# Altium PCB UHF_RFID_PROJECT.PcbDoc (part 3 of 3)
Units mm, origin at the board's own origin, x right, y up, seen from the top; angles counter-clockwise.
Board outline 81.68 x 108.59 mm, 6 copper layers (Top Layer, RF_Ground, Power, Gnd, Routing, Bottom_Gnd), stack 1.355 mm thick; 305 components, 201 nets, 970 pads, 479 vias.
Unrouted connection lines stored in the file: 2.
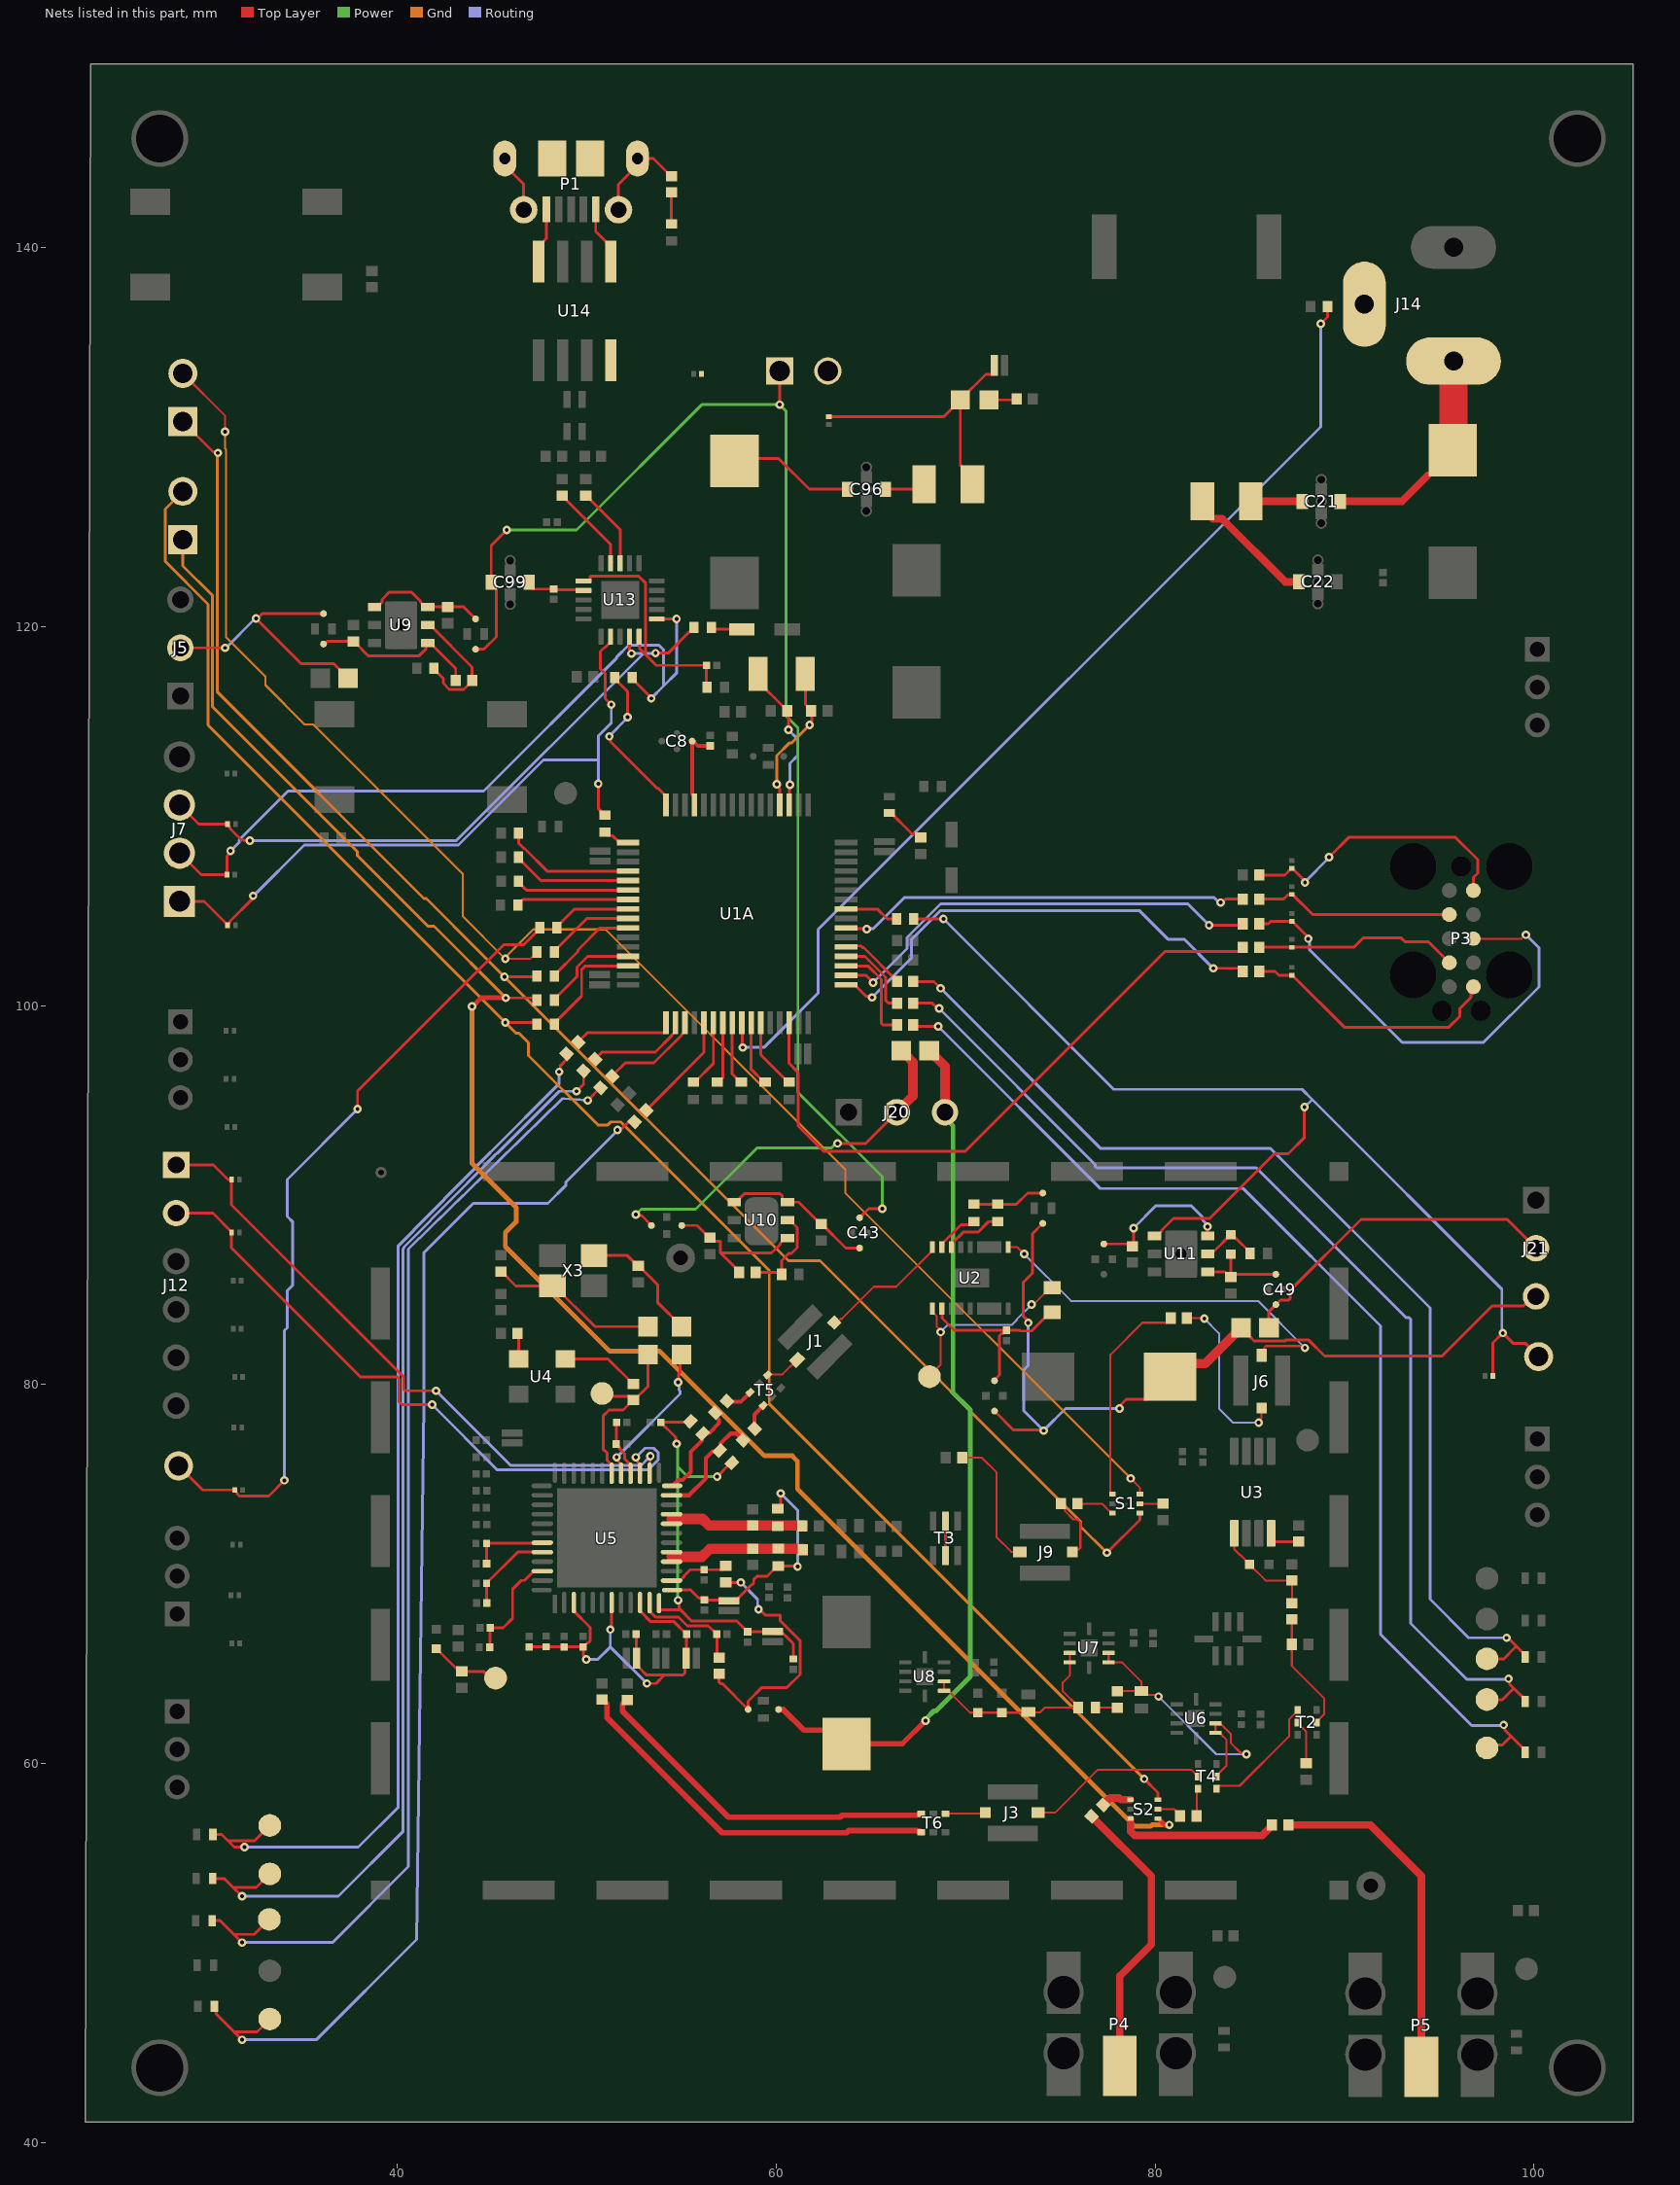
[diagram p7: the nets of this part, all layers, seen from the top]

## Via types
v1: diameter 0.45, hole 0.2, Top Layer to Bottom_Gnd, tented both sides, 175 vias
v2: diameter 0.6, hole 0.35, Top Layer to Bottom_Gnd, tented both sides, 169 vias
v3: diameter 0.6, hole 0.3, Top Layer to Bottom_Gnd, tented both sides, 133 vias
v4: diameter 0.55, hole 0.3, Top Layer to Bottom_Gnd, tented both sides, 1 vias
v5: diameter 0.5, hole 0.3, Top Layer to Bottom_Gnd, tented both sides, 1 vias

## Nets (pads, with @x,y where several pads share a name; then routed paths per layer and width w, separated by ;. In a path a pad name is that pad's centre, name@x,y a point inside that pad or via, vN(x,y) a via of type N, cw(c..) or ccw(c..) an arc to the next point about the centre after c; other vN are vias at no path point) (continued)
NetC13_2: C13.2 FB5.1 U5.11 | length 5.8
  Top Layer w0.15: U5.11@53.33,68.506 53.33,68.057 53.647,67.739 54.867,67.739 55.321,67.285 56.429,67.285 56.753,66.961 56.758,66.961 56.878,66.841 C13.2@56.878,66.836 56.878,65.728 FB5.1@56.998,65.609
NetC16_3: C16.3 C105.2 R21.1 U2.2 | length 10
  Top Layer w0.15: U2.2@68.757,84.012 68.757,83.516 69.399,82.874 C105.2@72.157,82.874 ; C16.3@71.527,80.209 71.527,80.24 71.798,80.511 71.78,80.528 71.78,81.407 71.798,81.425 71.798,82.593 71.894,82.689 71.972,82.689 C105.2@72.157,82.874 ; R21.1@74.575,83.824 74.475,83.824 73.485,82.834 72.899,82.834 72.859,82.874 C105.2@72.162,82.874 C105.2@72.157,82.874
NetC17_2: C17.2 U3.4 | length 1.8
  Top Layer w0.15: U3.4@86.125,72.16 86.125,71.878 86.285,71.718 C17.2@87.575,71.718
NetC21_1: C21.1 C106.1 J14.1 | length 11.8
  Top Layer w0.15: 94.397,127.976 94.507,127.976 95.707,129.176 C106.1@95.707,129.286 C106.1@95.75,129.329
  Top Layer w0.4: C21.1@89.775,126.6 93.021,126.6 94.397,127.976
  Top Layer w1.5: C106.1@95.75,129.329 J14.1@95.75,134
NetC21_3: C21.3 FB2.1 | length 2.7
  Top Layer w0.4: FB2.1@85.05,126.6 C21.3@87.775,126.6
NetC22_1: C22.1 FB2.2 | length 7.1
  Top Layer w0.15: FB2.2@82.5,126.6 82.5,126.225 FB2.2@83.05,125.675
  Top Layer w0.4: FB2.2@83.05,125.675 83.549,125.675 86.872,122.352 C22.1@87.595,122.352
NetC23_1: C23.1 C96.1 U14.8 | length 6.7
  Top Layer w0.15: C23.1@57.81,128.747 57.918,128.854 60.147,128.854 61.757,127.244 C96.1@63.77,127.244
NetC30_2: C30.2 C99.3 U13.12 | length 3.1
  Top Layer w0.15: C99.3@46.975,122.325 46.975,122.225 47.225,121.975 C30.2@48.275,121.975 48.313,121.938 49.802,121.938 U13.12@49.84,121.9
NetC32_1: C32.1 J9.A | length 7.1
  Top Layer w0.107: C32.1@69.825,76.149 70.866,76.149 71.628,75.387 71.628,71.972 72.419,71.181 72.858,71.181 J9.A@72.867,71.171
NetC35_1: C35.1 S2.6 | length 8.5
  Top Layer w0.4: S2.6@78.701,57.107 78.701,56.454 78.935,56.22 85.3,56.22 85.309,56.211 85.641,56.211 86.105,56.675 86.175,56.745 C35.1@86.175,56.775
NetC35_2: C35.2 P5.1 | length 18.2
  Top Layer w0.4: C35.2@87.039,56.775 91.358,56.775 94.055,54.078 P5.1@94.055,44.008
NetC36_1: C36.1 S2.4 | length 1.6
  Top Layer w0.4: C36.1@77.267,57.836 77.634,58.203 78.094,58.203 78.19,58.107 S2.4@78.701,58.107
NetC36_2: C36.2 P4.1 | length 15.1
  Top Layer w0.4: C36.2@76.657,57.226 79.807,54.075 79.807,50.47 78.141,48.804 P4.1@78.141,44.073
NetC37_1: C37.1 L11.2 T4.2 U6.1 U6.2 U7.1 U7.2 | length 17.3
  Top Layer w0.107: U7.2@77.55,65.85 U7.1@77.55,65.35 78.265,65.35 79.275,64.34 L11.2@79.275,63.835 ; C37.1@78.003,63.83 79.27,63.83 L11.2@79.275,63.835 ; v1(80.188,63.551) 80.095,63.551 80.012,63.634 79.476,63.634 L11.2@79.275,63.835 ; T4.2@83.248,59.334 83.248,59.374 83.769,59.895 83.769,60.773 83.774,60.777 83.774,61.26 83.515,61.519 83.515,61.531 83.414,61.632 U6.1@83.194,61.632 U6.2@83.194,62.132 83.25,62.076 83.488,62.076 84.009,61.555 84.009,61.087 84.537,60.559 84.762,60.559 v1(84.815,60.506)
  Routing w0.11: v1(80.188,63.551) 83.233,60.506 v1(84.815,60.506)
NetC37_2: C37.2 R34.1 | length 1.1
  Top Layer w0.107: R34.1@76.86,62.967 C37.2@78.003,62.966
NetC38_2: C38.2 C39.3 U9.1 U9.6 | length 6.4
  Top Layer w0.15: U9.1@38.825,121.025 38.95,121.025 39.211,121.286 39.211,121.431 39.599,121.818 40.759,121.818 41.239,121.338 41.239,121.286 41.5,121.025 U9.6@41.625,121.025 41.632,121.032 C38.2@42.675,121.032 43.518,121.032 C39.3@44.15,120.4
NetC40_2: C40.2 C41.1 R44.2 U9.4 | length 9
  Top Layer w0.15: C41.1@36.125,119.075 36.182,119.075 36.318,119.211 C40.2@37.7,119.211 37.7,119.113 37.828,119.113 38.501,118.44 41.148,118.44 41.533,118.825 41.537,118.825 41.537,119.037 U9.4@41.625,119.125 41.75,119.125 43.1,117.775 R44.2@43.1,117.15
NetC41_3: C41.3 J5.2 R1.1 | length 14.5
  Top Layer w0.15: J5.2@28.575,118.872 v1(30.937,118.872) ; C41.3@36.125,120.675 32.898,120.675 32.644,120.421 v1(32.563,120.421) 32.603,120.381 34.948,118.036 36.664,118.036 36.98,117.72 36.98,117.71 37.415,117.275 R1.1@37.425,117.275
  Routing w0.15: v1(30.937,118.872) 30.975,118.872 32.525,120.421 v1(32.563,120.421)
NetC42_2: C42.2 C43.3 U10.1 U10.6 | length 8.1
  Top Layer w0.15: U10.1@57.807,89.631 57.932,89.631 58.082,89.781 58.082,89.833 58.334,90.085 60.205,90.085 60.337,89.954 60.337,89.781 60.487,89.631 61.199,89.631 62.353,88.477 C42.2@62.383,88.477 62.413,88.477 63.683,87.207 C43.3@64.415,87.207
NetC44_2: C44.2 C45.1 R28.2 U10.4 | length 8.3
  Top Layer w0.15: C45.1@55.029,88.398 55.844,88.398 56.485,87.757 C44.2@56.515,87.757 56.71,87.562 57.079,87.562 57.079,86.944 ; R28.2@58.064,85.928 58.064,85.958 57.079,86.944 ; U10.4@60.607,87.731 60.482,87.731 60.221,87.47 60.221,87.398 59.767,86.944 57.079,86.944
NetC45_3: C45.3 J20.2 R2.1 | length 21.3
  Top Layer w0.15: v1(52.603,88.976) 52.661,88.919 52.909,88.919 C45.3@53.429,88.398 ; v1(63.246,92.731) 64.731,92.731 J20.2@66.375,94.375 ; R2.1@66.375,97.385 R2.1@66.615,97.625
  Top Layer w0.5: J20.2@66.375,94.375 67.226,95.226 67.226,97.014 66.885,97.355 66.885,97.365 66.625,97.625 R2.1@66.615,97.625
  Power w0.15: v1(52.603,88.976) 52.883,89.256 55.763,89.256 58.989,92.481 62.915,92.481 63.165,92.731 v1(63.246,92.731)
NetC46_2: C46.2 C47.3 U11.6 | length 8
  Top Layer w0.15: C47.3@77.3,87.425 78.682,87.425 C46.2@78.8,87.307 78.867,87.374 v1(78.867,88.265) ; U11.6@82.775,87.85 v1(82.775,88.346)
  Routing w0.15: v1(78.867,88.265) 80.035,89.433 81.915,89.433 82.517,88.831 82.517,88.685 82.775,88.427 v1(82.775,88.346)
NetC48_2: C48.2 C49.1 R30.2 U11.4 | length 5
  Top Layer w0.15: U11.4@82.775,85.95 83.702,85.95 83.97,85.682 C48.2@84,85.682 ; R30.2@83.998,86.889 83.998,85.684 C48.2@84,85.682 ; C49.1@86.375,85.825 84.143,85.825 C48.2@84,85.682
NetC49_3: C49.3 J21.2 R3.1 | length 17.8
  Top Layer w0.15: R3.1@86.01,83 86.01,83.86 86.611,84.461 87.043,84.461 87.139,84.557 87.139,84.989 90.872,88.722 98.58,88.722 J21.2@100.103,87.2
NetC51_2: C51.2 U4.3 | length 4.1
  Top Layer w0.15: U4.3@48.876,81.35 51.141,81.35 52.447,80.044 C51.2@52.477,80.044
NetC55_2: C55.2 R33.1 TP2.TP? | length 3.8
  Top Layer w0.15: R33.1@42.075,66.076 42.087,66.076 43.093,65.07 43.23,65.07 C55.2@43.425,64.875 44.566,64.875 44.916,64.525 TP2.TP?@45.2,64.525
NetC91_1: C91.1 FB1.2 FB5.2 | length 13.8
  Top Layer w0.15: FB5.2@56.998,64.745 56.998,64.314 57.085,64.227 57.179,64.227 C91.1@58.534,62.871 58.534,63.303 59.26,64.029 60.588,64.029 61.273,64.714 61.273,66.499 60.215,67.557 60.215,67.852 59.421,67.852 59.124,68.148 v1(59.08,68.148) ; FB1.2@57.353,69.57 v1(58.141,69.571)
  Routing w0.15: v1(58.141,69.571) 59.032,68.679 59.032,68.197 v1(59.08,68.148)
NetC96_3: C96.3 FB7.1 | length 2.2
  Top Layer w0.15: C96.3@65.77,127.244 67.549,127.244 FB7.1@67.813,127.508
NetC97_1: C97.1 R86.2 | length 1.5
  Top Layer w0.15: C97.1@71.244,131.953 72.546,131.953 72.597,132.004 R86.2@72.695,132.004
NetC97_2: C97.2 C98.2 D21.2 FB7.2 P2.2 | length 14.8
  Top Layer w0.15: D21.2@62.789,131.071 68.854,131.071 C97.2@69.726,131.943 ; FB7.2@70.363,127.508 70.363,127.883 69.726,128.52 C97.2@69.726,131.943 ; C98.2@71.526,133.782 71.526,133.422 71.411,133.307 71.07,133.307 69.726,131.963 C97.2@69.726,131.953 C97.2@69.726,131.943
NetC100_1: C100.1 R89.2 | length 1.7
  Top Layer w0.15: R89.2@54.483,141.249 C100.1@54.483,142.9
NetC100_2: C100.2 P1.SH1 P1.SH2 P1.SH3 P1.SH4 P1.SH5 P1.SH6 | length 8.4
  Top Layer w0.15: P1.SH6@45.689,144.686 45.689,144.336 46.689,143.336 P1.SH2@46.689,141.986 ; P1.SH1@51.689,141.986 51.689,143.336 52.689,144.336 P1.SH3@52.689,144.686 53.531,144.686 54.453,143.764 C100.2@54.483,143.764
NetC104_3: C104.3 R10.2 R20.2 | length 3.9
  Top Layer w0.15: R20.2@70.438,89.518 R10.2@71.708,89.518 72.681,89.518 73.274,90.111 C104.3@74.079,90.111
NetC107_1: C107.1 S1.6 | length 2.1
  Top Layer w0.107: C107.1@75.907,73.725 77.2,73.725 77.7,73.225 S1.6@77.75,73.225
NetC107_2: C107.2 J9.C | length 3.4
  Top Layer w0.107: C107.2@75.043,73.725 75.259,73.509 75.259,73.324 75.691,72.892 75.897,72.892 76.06,72.73 76.06,71.397 75.976,71.313 75.785,71.313 J9.C@75.642,71.171
NetC108_1: C108.1 J6.C | length 9.2
  Top Layer w0.107: C108.1@81.687,83.515 82.575,83.515 v1(82.601,83.49) ; v1(85.471,78.003) 85.471,78.096 85.624,78.249 J6.C@85.624,78.773
  Routing w0.11: v1(82.601,83.49) 83.378,82.713 83.378,78.744 84.119,78.003 v1(85.471,78.003)
NetC108_2: C108.2 S1.4 | length 11.5
  Top Layer w0.107: S1.4@77.75,74.225 77.719,74.225 77.648,74.296 77.648,81.585 79.332,83.269 80.606,83.269 80.725,83.387 80.725,83.515 C108.2@80.823,83.515
NetC109_2: C109.2 S1.2 | length 1.2
  Top Layer w0.107: S1.2@79.2,73.725 C109.2@80.425,73.725
NetC110_1: C110.1 R55.2 X3.3 | length 6.7
  Top Layer w0.15: X3.3@50.402,86.813 52.155,86.813 52.701,86.267 C110.1@52.731,86.267 52.761,86.267 53.769,85.259 53.769,84.323 55.017,83.075 R55.2@55.017,83.065
NetC111_1: C111.1 R54.2 X3.1 | length 8.9
  Top Layer w0.15: C111.1@45.492,85.962 45.522,85.962 46.271,85.213 X3.1@48.202,85.213 48.302,85.213 50.45,83.065 R54.2@53.239,83.065
NetC112_1: C112.1 S2.2 | length 1.3
  Top Layer w0.107: S2.2@80.151,57.607 81.005,57.607 81.33,57.282 C112.1@81.33,57.252
NetC112_2: C112.2 T4.6 | length 1.5
  Top Layer w0.107: C112.2@82.194,57.252 82.194,58.621 T4.6@82.258,58.684
NetD15_C: D15.C R81.2 | length 2.3
  Top Layer w0.15: D15.C@65.98,110.159 65.98,110.229 66.009,110.23 67.18,109.059 67.436,109.059 R81.2@67.631,108.864
NetD28_1: D28.1 P3.2 R19.1 | length 10.6
  Top Layer w0.15: R19.1@85.493,105.617 86.784,105.617 87.02,105.853 87.202,105.853 D28.1@87.22,105.871 87.248,105.871 88.319,104.8 P3.2@95.529,104.8
NetD29_1: D29.1 P3.4 R42.1 | length 10.8
  Top Layer w0.15: R42.1@85.493,103.077 D29.1@87.22,103.077 90.494,103.077 90.98,103.563 92.994,103.563 93.194,103.363 94.427,103.363 P3.4@95.529,102.26
NetD30_1: D30.1 P3.6 R46.1 | length 13.9
  Top Layer w0.15: R46.1@85.493,101.807 86.336,101.807 86.543,101.601 D30.1@87.22,101.601 87.248,101.601 89.987,98.862 95.505,98.862 96.091,99.448 96.091,99.846 96.677,100.432 96.677,100.868 P3.6@96.799,100.99
NetD31_1: D31.1 pad.39 R4.1 | length 24.9
  Top Layer w0.1: pad.39@96.799,103.53 99.334,103.53 99.538,103.734 v1(99.568,103.734)
  Top Layer w0.15: R4.1@85.493,104.317 85.983,104.317 86.108,104.442 87.248,104.442 88.087,103.603 v1(88.087,103.53)
  Routing w0.15: v1(88.087,103.53) 88.145,103.473 88.145,102.959 93.046,98.057 97.329,98.057 100.255,100.983 100.255,103.047 v1(99.568,103.734)
NetD32_1: D32.1 P3.10 R5.2 | length 15.3
  Top Layer w0.15: R5.2@85.493,106.887 86.842,106.887 87.191,107.236 D32.1@87.22,107.236 87.248,107.236 87.909,106.575 v1(87.909,106.502) ; v1(89.179,107.823) 90.247,108.891 95.828,108.891 97.023,107.696 97.023,106.985 96.799,106.761 P3.10@96.799,106.07
  Routing w0.15: v1(87.909,106.502) 87.909,106.528 89.179,107.798 v1(89.179,107.823)
NetFB4_2: FB4.2 U4.4 | length 1.4
  Top Layer w0.15: FB4.2@46.356,82.711 46.426,82.641 U4.4@46.426,81.35
NetJ1_A: J1.A T5.1 | length 1.9
  Top Layer w0.107: T5.1@59.554,80.52 59.583,80.549 60.348,80.549 J1.A@61.118,81.319
NetJ1_C: J1.C U2.13 | length 6.9
  Top Layer w0.107: J1.C@63.08,83.281 63.219,83.281 63.414,83.476 63.476,83.476 65.167,85.166 66.346,85.166 68.257,87.077 U2.13@68.257,87.252
NetJ3_A: J3.A T4.5 | length 9.5
  Top Layer w0.107: J3.A@73.825,57.425 74.722,57.425 76.987,59.69 81.903,59.69 82.107,59.486 82.147,59.486 82.258,59.374 T4.5@82.258,59.334
NetJ3_C: J3.C T6.1 | length 2.1
  Top Layer w0.107: T6.1@68.95,57.375 71,57.375 J3.C@71.05,57.425
NetJ14_3: J14.3 R32.1 U1A.41 | length 53.9
  Top Layer w0.15: U1A.41@58.194,99.095 58.218,99.071 58.218,97.814 v1(58.242,97.79) ; v1(88.748,135.966) 89.104,136.323 R32.1@89.104,136.881
  Routing w0.15: v1(58.242,97.79) 59.36,97.79 62.23,100.66 62.23,104.019 88.748,130.536 v1(88.748,135.966)
NetJ30_1: J30.1 R91.1 S1.1 | length 85.6
  Top Layer w0.15: J30.1@28.702,130.81 30.296,129.216 30.499,129.216 v1(30.556,129.159) ; v1(45.669,101.524) 47.362,101.524 R91.1@47.393,101.555 ; v1(77.462,71.137) 79.2,72.875 S1.1@79.2,73.225
  Gnd w0.15: v1(30.556,129.159) 30.51,129.113 30.51,116.566 41.42,105.657 41.552,105.657 42.988,104.22 42.988,104.205 v1(45.669,101.524) 60.658,86.535 62.329,86.535 76.081,72.783 76.081,72.517 v1(77.462,71.137)
NetJ30_2: J30.2 R90.2 S1.3 | length 87.5
  Top Layer w0.107: J30.2@28.702,133.35 30.937,131.115 v1(30.937,130.277) ; v1(45.72,102.464) 47.032,102.464 47.147,102.579 47.202,102.579 47.393,102.77 R90.2@47.393,102.825 ; v1(78.715,75.057) 79.2,74.572 S1.3@79.2,74.225
  Gnd w0.11: v1(30.937,130.277) 30.937,129.382 30.983,129.336 30.983,119.43 33.056,117.357 33.056,116.906 35.128,114.833 35.58,114.833 43.482,106.931 43.482,104.702 v1(45.72,102.464) 45.72,102.545 47.194,104.019 50.997,104.019 63.652,91.364 63.652,90.119 v1(78.715,75.057)
NetJ31_1: J31.1 R92.1 S2.1 | length 98.3
  Top Layer w0.15: v1(45.745,100.406) 47.272,100.406 R92.1@47.393,100.285
  Top Layer w0.254: v1(43.967,99.949) 43.985,99.949 44.442,100.406 v1(45.745,100.406) ; S2.1@80.199,57.105 80.559,56.745 80.72,56.745 v1(80.754,56.779)
  Gnd w0.15: J31.1@28.702,124.587 28.702,123.201 30.271,121.632 30.271,115.753 37.916,108.108 37.916,107.905 41.637,104.185 41.967,104.185 v1(45.745,100.406)
  Gnd w0.254: v1(43.967,99.949) 43.967,91.669 46.292,89.344 46.292,88.601 45.718,88.027 45.718,87.285 51.236,81.766 53.87,81.766 59.389,76.247 60.854,76.247 61.134,75.967 61.134,74.502 78.93,56.706 79.779,56.706 79.852,56.779 v1(80.754,56.779)
NetJ31_2: J31.2 R93.1 S2.3 | length 93.8
  Top Layer w0.15: v1(45.72,99.111) 47.297,99.111 R93.1@47.393,99.015 ; v1(79.426,59.207) 80.151,58.482 S2.3@80.151,58.107
  Gnd w0.15: J31.2@28.702,127.127 27.773,126.198 27.773,123.434 30.032,121.175 30.032,114.798 v1(45.72,99.111) 46.284,98.547 46.436,98.547 46.943,98.04 46.943,97.36 50.598,93.705 51.127,93.705 51.286,93.864 51.815,93.864 59.646,86.033 59.646,78.987 v1(79.426,59.207)
NetL12_2: L12.2 R26.2 R34.2 R35.2 U7.8 U7.9 U8.1 U8.2 | length 11.6
  Top Layer w0.107: U8.2@68.875,64.35 U8.1@68.875,63.85 69.095,63.85 69.698,63.247 69.698,63.243 70.244,62.697 R35.2@70.655,62.697 71.921,62.697 R26.2@71.925,62.701 73.274,62.701 L12.2@73.322,62.749 73.358,62.713 73.939,62.713 74.193,62.967 R34.2@75.946,62.967 75.946,63.022 75.133,63.835 75.133,64.287 75.5,64.654 U7.9@75.5,65.35 U7.8@75.5,65.85
NetP1_1: P1.1 U14.1 | length 3.1
  Top Layer w0.15: P1.1@50.489,142.011 50.489,140.841 51.28,140.05 U14.1@51.28,139.25
NetP1_5: P1.5 U14.4 | length 2.9
  Top Layer w0.15: U14.4@47.47,139.25 47.47,140.05 47.889,140.469 P1.5@47.889,142.011
NetR4_2: R4.2 U1A.50 | length 23.7
  Top Layer w0.15: U1A.50@63.694,101.595 64.75,101.595 v1(65.126,101.219) ; v1(82.855,104.242) 84.556,104.242 R4.2@84.658,104.343
  Routing w0.15: v1(65.126,101.219) 66.92,103.013 66.92,103.6 68.682,105.362 81.735,105.362 82.098,104.999 v1(82.855,104.242)
NetR7_2: R7.2 U1A.20 | length 6.9
  Top Layer w0.15: R7.2@46.414,109.1 46.414,108.575 46.695,108.294 46.727,108.294 47.926,107.095 U1A.20@52.194,107.095
NetR8_2: R8.2 U1A.21 | length 6.3
  Top Layer w0.15: R8.2@46.414,107.83 46.414,107.775 47.594,106.595 U1A.21@52.194,106.595
NetR9_2: R9.2 U1A.22 | length 6
  Top Layer w0.15: R9.2@46.414,106.56 46.414,106.505 46.824,106.095 U1A.22@52.194,106.095
NetR10_1: R10.1 U2.11 | length 3.1
  Top Layer w0.15: U2.11@69.257,87.252 69.317,87.312 69.317,87.489 69.875,88.046 70.657,88.046 71.215,88.604 R10.1@71.708,88.604
NetR11_2: R11.2 U1A.23 | length 6
  Top Layer w0.15: R11.2@46.382,105.3 46.382,105.355 46.622,105.595 U1A.23@52.194,105.595
NetR12_2: R12.2 U1A.42 | length 3.5
  Top Layer w0.15: U1A.42@58.694,99.095 58.694,96.633 59.37,95.957 R12.2@59.425,95.957
NetR13_2: R13.2 U1A.43 | length 3.8
  Top Layer w0.15: U1A.43@59.194,99.095 59.194,97.408 60.645,95.957 R13.2@60.7,95.957
NetR19_2: R19.2 U1A.55 | length 21.8
  Top Layer w0.15: U1A.55@63.694,104.095 63.722,104.067 64.767,104.067 v1(64.795,104.038) ; v1(83.464,105.435) 83.546,105.435 83.727,105.617 R19.2@84.629,105.617
  Routing w0.15: v1(64.795,104.038) 64.808,104.051 65.119,104.051 66.775,105.707 83.119,105.707 83.39,105.435 v1(83.464,105.435)
NetR20_1: R20.1 U2.12 | length 2.3
  Top Layer w0.15: U2.12@68.757,87.252 68.817,87.312 68.817,87.489 69.762,88.434 70.268,88.434 R20.1@70.438,88.604
NetR21_2: R21.2 TP3.TP? U2.1 | length 10.9
  Top Layer w0.107: TP3.TP?@68.098,80.425 68.098,80.465 68.682,81.049 v1(68.682,82.779) 68.682,82.871 68.49,83.063 68.49,83.604 68.257,83.837 U2.1@68.257,84.012 ; v1(73.482,84.226) 73.548,84.292 73.643,84.292 74.475,85.124 R21.2@74.575,85.124
  Routing w0.11: v1(68.682,82.779) 69.062,83.159 72.452,83.159 72.7,83.407 72.7,83.444 v1(73.482,84.226)
NetR22_2: R22.2 T2.2 | length 2.3
  Top Layer w0.107: T2.2@87.529,62.18 87.529,62.14 87.975,61.694 R22.2@87.975,60.025
NetR23_2: R23.2 R24.1 R25.2 U3.1 | length 5.8
  Top Layer w0.107: U3.1@84.175,72.16 84.175,71.333 84.484,71.024 84.496,71.024 84.989,70.531 R23.2@84.989,70.519 84.989,70.506 85.828,69.668 R25.2@87.225,69.668 R24.1@87.225,68.482
NetR24_2: R24.2 R45.2 T2.5 | length 6.3
  Top Layer w0.107: R24.2@87.225,67.618 87.218,67.611 R45.2@87.218,66.3 87.218,65.166 88.934,63.45 88.934,62.635 88.519,62.22 T2.5@88.519,62.18
NetR27_1: R27.1 R44.1 U9.5 | length 6.8
  Top Layer w0.15: U9.5@41.625,120.075 41.75,120.075 43.964,117.861 R44.1@43.964,117.15 43.964,117.12 43.53,116.686 42.762,116.686 42.441,117.007 42.441,117.254 41.95,117.745 R27.1@41.95,117.8
NetR28_1: R28.1 R29.1 U10.5 | length 5
  Top Layer w0.15: R28.1@58.928,85.928 60.198,85.928 R29.1@60.3,85.827 60.3,86.546 60.675,86.921 60.81,86.921 61.122,87.233 61.122,88.292 60.732,88.681 U10.5@60.607,88.681
NetR30_1: R30.1 R31.1 U11.5 | length 3.1
  Top Layer w0.15: U11.5@82.775,86.9 82.925,87.05 83.122,87.05 83.985,87.913 R30.1@83.998,87.913 84.16,87.751 84.249,87.751 85.02,86.98 R31.1@85.02,86.925
NetR38_1: R38.1 U1A.38 | length 3.6
  Top Layer w0.15: R38.1@55.65,95.957 55.705,95.957 56.694,96.946 U1A.38@56.694,99.095
NetR39_1: R39.1 U1A.39 | length 3.3
  Top Layer w0.15: R39.1@56.9,95.957 56.955,95.957 57.194,96.196 U1A.39@57.194,99.095
NetR40_1: R40.1 U1A.40 | length 3.4
  Top Layer w0.15: U1A.40@57.694,99.095 57.694,96.383 58.12,95.957 R40.1@58.175,95.957
NetR41_2: R41.2 U13.9 | length 4.7
  Top Layer w0.15: R41.2@48.717,126.898 48.747,126.898 48.942,126.703 48.942,126.673 51.275,124.34 U13.9@51.275,123.34 ; U13.9@51.275,123.335 U13.9@51.275,123.34 ; U13.9@51.335,123.4 U13.9@51.275,123.34
NetR42_2: R42.2 U1A.46 | length 34.1
  Top Layer w0.15: U1A.46@60.694,99.095 60.694,96.947 61.164,96.477 61.164,93.674 62.535,92.304 69.977,92.304 80.525,102.852 84.434,102.852 84.629,103.047 R42.2@84.629,103.077
NetR43_2: R43.2 U1A.57 | length 2.9
  Top Layer w0.15: U1A.57@63.694,105.095 65.344,105.095 65.868,104.571 R43.2@66.361,104.571
NetR46_2: R46.2 U1A.49 | length 25
  Top Layer w0.15: U1A.49@63.694,101.095 64.144,101.095 64.75,100.489 65.017,100.489 v1(65.075,100.432) ; v1(83.083,101.97) 84.466,101.97 R46.2@84.629,101.807
  Routing w0.15: v1(65.075,100.432) 67.159,102.516 67.159,103.501 68.657,104.999 79.189,104.999 80.683,103.505 81.532,103.505 83.067,101.97 v1(83.083,101.97)
NetR47_2: R47.2 U13.8 | length 4.3
  Top Layer w0.15: R47.2@49.962,126.898 49.992,126.898 51.775,125.115 U13.8@51.775,123.335
NetR56_2: R56.2 U1A.16 | length 8.7
  Top Layer w0.15: v1(51.206,114.198) 51.264,114.141 51.264,113.918 53.716,111.466 53.773,111.466 54.194,111.045 U1A.16@54.194,110.595 ; R56.2@51.493,117.3 51.493,117.245 52.172,116.566 v1(52.172,115.214)